# KiCad board Inkplate10_Soldered.kicad_pcb (continued)
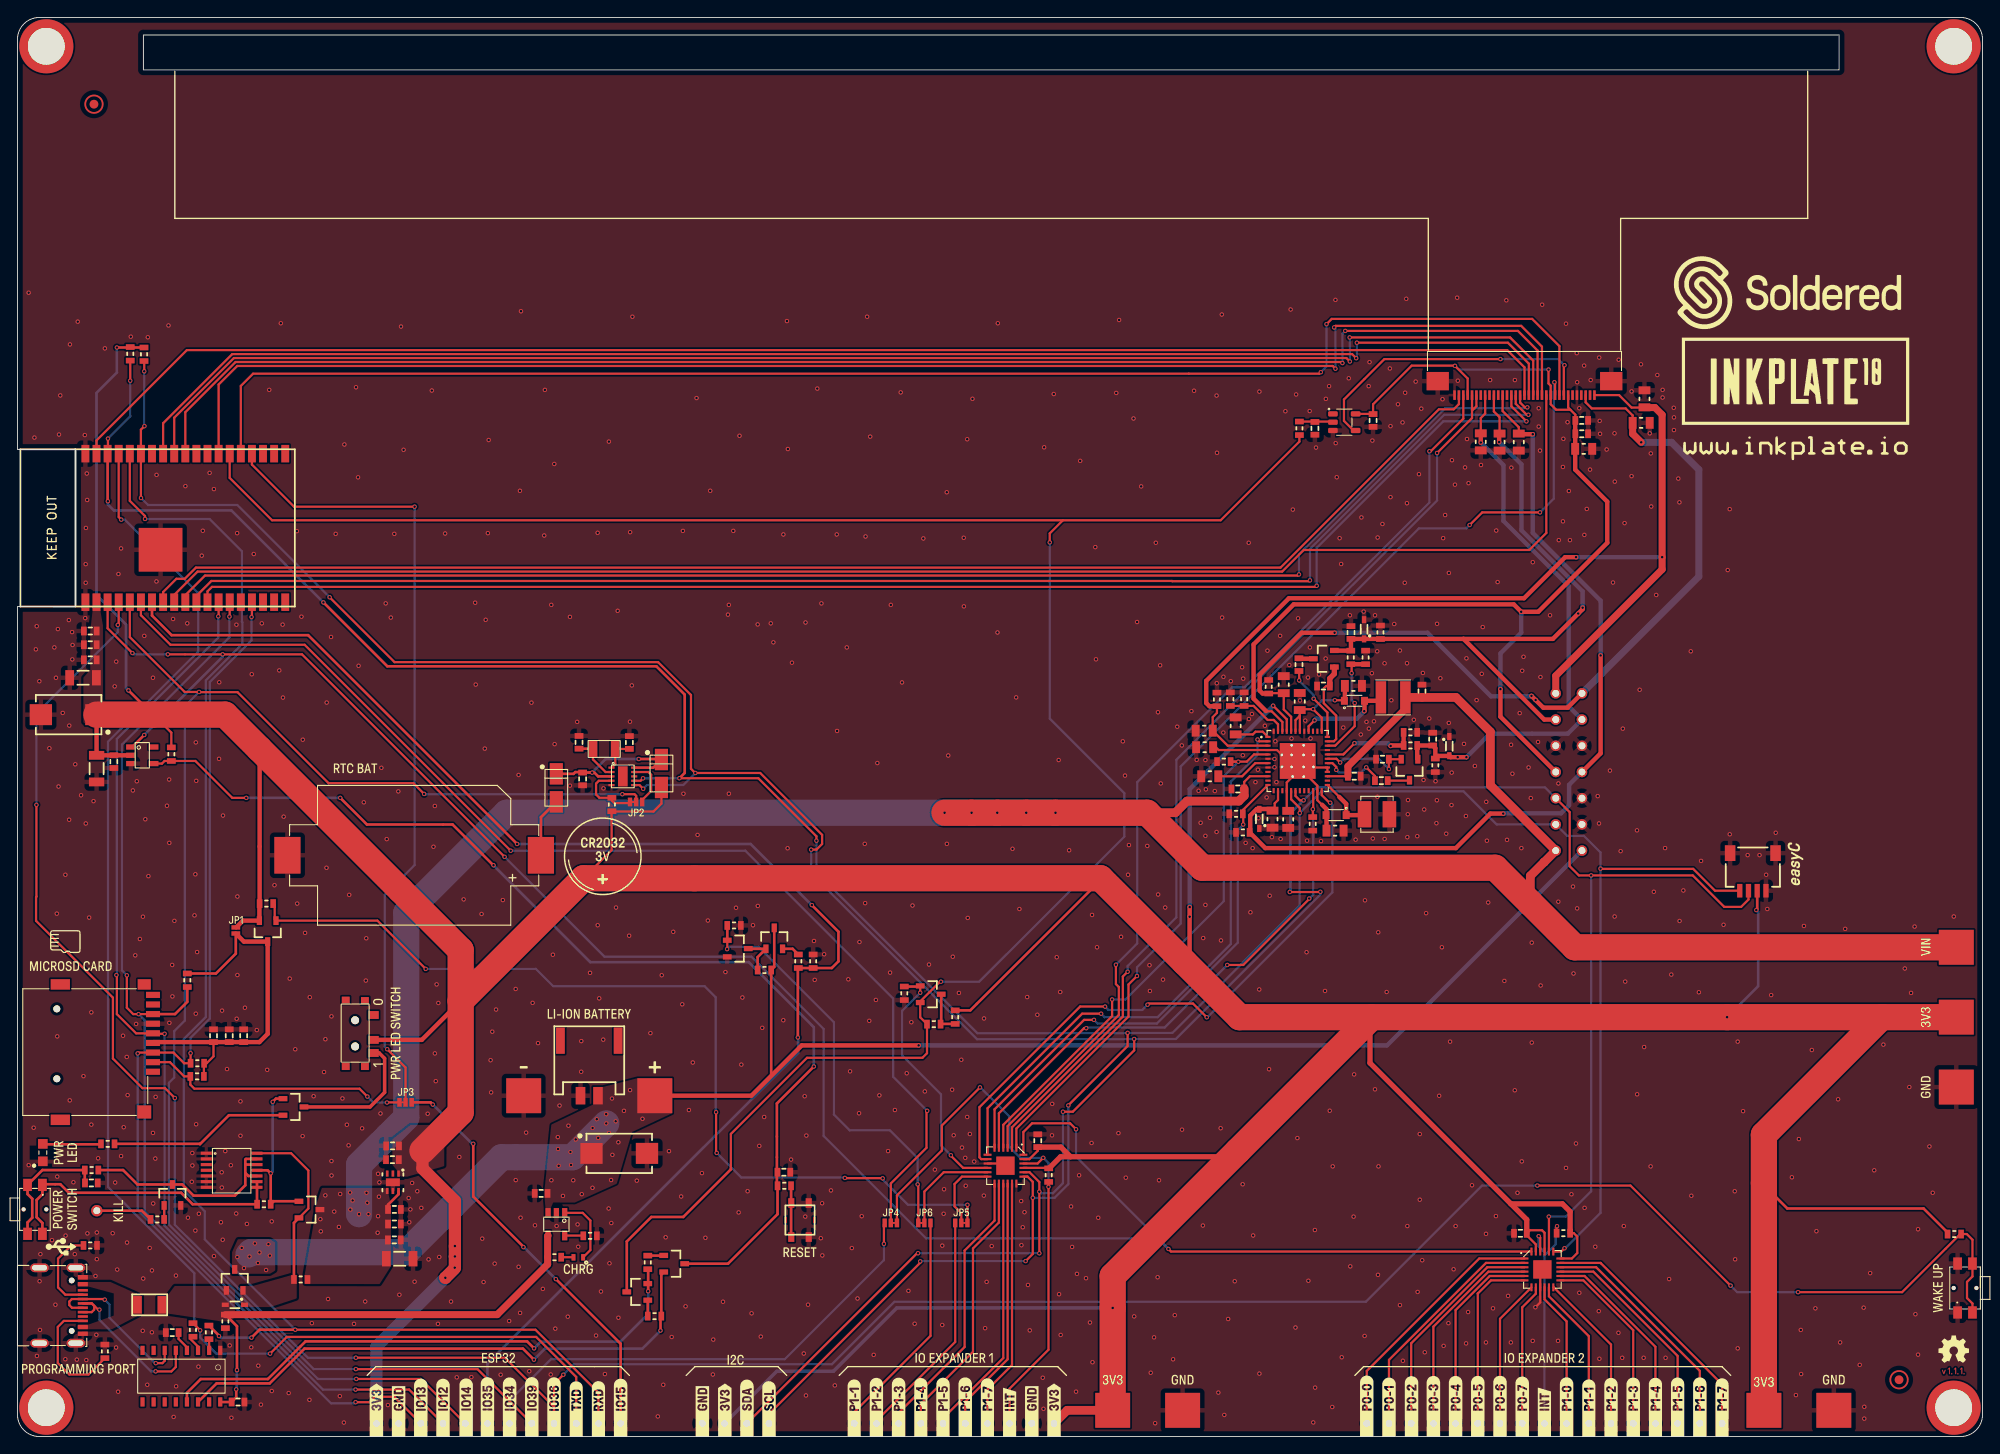
[diagram p0: board, top side]
## Footprints (pads in the part's own frame, mm; a bottom-side part is the same pattern mirrored in y, then rotated) (continued)
INKPLATE TEST HEADER
  round 1.2 hole 0.8: 1(-1.5,9) 2(-1.5,6) 3(-1.5,3) 4(-1.5,0) 5(-1.5,-3) 6(-1.5,-6) 7(-1.5,-9) 8(1.5,-9) 9(1.5,-6) 10(1.5,-3) 11(1.5,0) 12(1.5,3) 13(1.5,6) 14(1.5,9)
JST-2pin-SMD
  rect 1x3 smd: (-3.3,3.15) (3.3,3.15)
  rect 1.1x2 smd: 1(1,-3.15) 2(-1,-3.15)
K2-1114SA-A4SW-06
  round 0.5 hole 0.45 unplated: (0,1.3) (0,-1.3)
  rect 1.4x1 smd: 1(-2.8,0.85) 1(2.8,0.85) 2(-2.8,-0.85) 2(2.8,-0.85)
LTST-S270GKT
  rect 1.1x1.1 smd: 1(-1,0) 2(1,0)
M4_DIODA
  rect 2.45x1.5 smd: 1(-1.6,0) 2(1.6,0)
NR4012
  rect 1.2x3.7 smd: 1(-1.4,0) 2(1.4,0)
PAD_4x4
  rect 4x4 smd: 1(0,0)
PAD_4x4#2
  rect 4x4 smd: 1(0.04,0)
PCAL6416AHF,128
  rect 0.9x0.24 smd: 1(-2.05,1.25) 2(-2.05,0.75) 3(-2.05,0.25) 4(-2.05,-0.25) 5(-2.05,-0.75) 6(-2.05,-1.25) 13(2.05,-1.25) 14(2.05,-0.75) 15(2.05,-0.25) 16(2.05,0.25) 17(2.05,0.75) 18(2.05,1.25)
  rect 0.24x0.9 smd: 7(-1.25,-2.05) 8(-0.75,-2.05) 9(-0.25,-2.05) 10(0.25,-2.05) 11(0.75,-2.05) 12(1.25,-2.05) 19(1.25,2.05) 20(0.75,2.05) 21(0.25,2.05) 22(-0.25,2.05) 23(-0.75,2.05) 24(-1.25,2.05)
  rect 2.1x2.1 smd: 25(0,0)
PCF85063A
  rect 1.1x2.3 smd: (0,0)
  rect 0.7x0.25 smd: 1(-1.3,1) 2(-1.3,0.5) 3(-1.3,0) 4(-1.3,-0.5) 5(-1.3,-1) 6(1.3,-1) 7(1.3,-0.5) 8(1.3,0) 9(1.3,0.5) 10(1.3,1)
SFV33R-1STE9HLF
  rect 0.3x1.1 smd: 1(-8,0.8) 2(-7.5,0.8) 3(-7,0.8) 4(-6.5,0.8) 5(-6,0.8) 6(-5.5,0.8) 7(-5,0.8) 8(-4.5,0.8) 9(-4,0.8) 10(-3.5,0.8) 11(-3,0.8) 12(-2.5,0.8) 13(-2,0.8) 14(-1.5,0.8) 15(-1,0.8) 16(-0.5,0.8) 17(0,0.8) 18(0.5,0.8) 19(1,0.8) 20(1.5,0.8) 21(2,0.8) 22(2.5,0.8) 23(3,0.8) 24(3.5,0.8) 25(4,0.8) 26(4.5,0.8) 27(5,0.8) 28(5.5,0.8) 29(6,0.8) 30(6.5,0.8) 31(7,0.8) 32(7.5,0.8) 33(8,0.8)
  rect 2.55x2.1 smd: 34(-9.925,-0.8) 34(9.925,-0.8)
SK-3296S-01-L1
  rect 0.9x1.2 smd: 1(2.1,-2.1) 2(-0.75,-2.1) 3(-2.25,-2.1)
  round 0.9 hole 0.9: MH1(-1.5,0) MH2(1.5,0)
  rect 0.8x0.9 smd: MP1(-3.8,-1.125) MP2(3.75,-1.125) MP3(3.8,1.075) MP4(-3.8,1.075)
SMD_JUMPER
  rect 0.5x1 smd: 1(-0.35,0) 2(0.35,0)
SMD_JUMPER_3_PAD_CONNECTED_LEFT_TRACE
  rect 0.5x1 smd: 1(-0.7,0) 3(0.7,0)
  custom 0.5x1 smd: 2(0,0)
SN74LVC1G34DBV
  rrect 1.1x0.6 smd: 1(-1.3,0.95) 2(-1.3,0) 3(-1.3,-0.95) 4(1.3,-0.95) 5(1.3,0.95)
SOD-323
  rect 0.8x0.5 smd: 1(-1.1,0) 2(1.1,0)
SOD-323-2
  rect 0.8x0.9 smd: 1(-1.15,0) 2(1.15,0)
SOP-16
  rect 1.05x0.48 smd: 1(-2.95,4.445) 2(-2.95,3.175) 3(-2.95,1.905) 4(-2.95,0.635) 5(-2.95,-0.635) 6(-2.95,-1.905) 7(-2.95,-3.175) 8(-2.95,-4.445) 9(2.95,-4.445) 10(2.95,-3.175) 11(2.95,-1.905) 12(2.95,-0.635) 13(2.95,0.635) 14(2.95,1.905) 15(2.95,3.175) 16(2.95,4.445)
SOT-23-3
  rect 1x0.6 smd: 1(-1.2,0.95) 2(-1.2,-0.95) 3(1.2,0)
SOT-23-5
  rect 1.1x0.6 smd: 1(-1.3,0.95) 2(-1.3,0) 3(-1.3,-0.95) 4(1.3,-0.95) 5(1.3,0.95)
Standoff_M3
  round 6.2 hole 4.22 unplated: (0,0)
TPS7A2633DRVR
  rect 0.7x0.3 smd: 1(-0.995,0.65) 2(-0.995,0) 3(-0.995,-0.65) 4(0.995,-0.65) 5(0.995,0) 6(0.995,0.65)
  rect 0.89x1.6 smd: 5(0,0)
TSSOP-14
  rect 1.26x0.36 smd: 1(-2.9,1.95) 2(-2.9,1.3) 3(-2.9,0.65) 4(-2.9,0) 5(-2.9,-0.65) 6(-2.9,-1.3) 7(-2.9,-1.95) 8(2.9,-1.95) 9(2.9,-1.3) 10(2.9,-0.65) 11(2.9,0) 12(2.9,0.65) 13(2.9,1.3) 14(2.9,1.95)
U262-161N-4BVC11
  round 0.65 hole 0.65 unplated: (-2.862,1.2) (2.913,1.2)
  rect 0.3x1.15 smd: A1(-3.337,2.475) A4(-2.537,2.475) A5(-1.237,2.475) A6(-0.237,2.475) A7(0.263,2.475) A8(1.263,2.475) A9(2.563,2.475) A12(3.338,2.475) B1(3.138,2.475) B4(2.363,2.475) B5(1.763,2.475) B6(0.763,2.475) B7(-0.737,2.475) B8(-1.737,2.475) B9(-2.337,2.475) B12(-3.112,2.475)
  oval 1x2.1 hole 0.6x1.7: SH(-4.312,1.675) SH(-4.312,-2.475) SH(4.313,1.675) SH(4.313,-2.475)
VQFN-49
  rect 0.6x0.24 smd: 1(-3.4,2.75) 2(-3.4,2.25) 3(-3.4,1.75) 4(-3.4,1.25) 5(-3.4,0.75) 6(-3.4,0.25) 7(-3.4,-0.25) 8(-3.4,-0.75) 9(-3.4,-1.25) 10(-3.4,-1.75) 11(-3.4,-2.25) 12(-3.4,-2.75) 25(3.4,-2.75) 26(3.4,-2.25) 27(3.4,-1.75) 28(3.4,-1.25) 29(3.4,-0.75) 30(3.4,-0.25) 31(3.4,0.25) 32(3.4,0.75) 33(3.4,1.25) 34(3.4,1.75) 35(3.4,2.25) 36(3.4,2.75)
  rect 0.24x0.6 smd: 13(-2.75,-3.4) 14(-2.25,-3.4) 15(-1.75,-3.4) 16(-1.25,-3.4) 17(-0.75,-3.4) 18(-0.25,-3.4) 19(0.25,-3.4) 20(0.75,-3.4) 21(1.25,-3.4) 22(1.75,-3.4) 23(2.25,-3.4) 24(2.75,-3.4) 37(2.75,3.4) 38(2.25,3.4) 39(1.75,3.4) 40(1.25,3.4) 41(0.75,3.4) 42(0.25,3.4) 43(-0.25,3.4) 44(-0.75,3.4) 45(-1.25,3.4) 46(-1.75,3.4) 47(-2.25,3.4) 48(-2.75,3.4)
  round 0.5 hole 0.3: 49(-1.8,0.685) 49(-1.8,-0.685) 49(-0.685,1.8) 49(-0.685,0.685) 49(-0.685,-0.685) 49(-0.57,-1.78) 49(0.685,1.8) 49(0.685,0.685) 49(0.685,-0.685) 49(0.685,-1.8) 49(1.8,0.685) 49(1.8,-0.685)
  rect 4.1x4.1 smd: 49(0,0)
YTSA007A0151803B
  rect 0.7x0.25 smd: (0,1.625) (0,-1.625)
  rect 1.1x0.7 smd: 1(-1.95,1) 1(1.95,1) 2(-1.95,-1) 2(1.95,-1)

## Nets
3V3: C21.2 C23.2 C31.2 C33.2 C44.2 C45.2 C46.2 C47.2 C48.2 C49.1 C50.2 D11.1 JP1.2 K3.3 K5.1 K47.1 K50.1 PAD4.1 PAD5.1 PAD7.1 Q10.2 R1.2 R4.2 R20.2 R22.2 R40.1 R41.2 R42.2 R47.1 R48.1 S1.2 U1.45 U2.2 U6.1 U9.21 U9.23 U10.2 U11.18 U11.21 U11.23
3V3-EINK: C41.2 C42.2 C43.2 C55.2 K1.4 K12.7 K12.11 K12.30 U1.46 U8.5
3V3_MICROSD: C37.2 C38.2 C39.2 JP1.1 K11.4 Q10.3 R43.2 R44.2 R45.2
3V3_RTC: C36.2 D11.2 D12.2 U7.3 U7.10
/POWER/VDDH_D: C19.2 D7.1 U1.35
/POWER/VDDH_DRV: C17.1 U1.36
/POWER/VDDH_FB: R13.1 R14.2 U1.34
/POWER/VEE_D: C18.2 D6.2 U1.31
/POWER/VEE_DRV: C16.2 U1.30
/POWER/VEE_FB: R15.1 R16.2 U1.32
GND: C1.1 C2.1 C3.1 C4.1 C5.1 C6.1 C7.1 C8.1 C9.1 C10.1 C11.1 C12.1 C13.1 C14.1 C15.1 C18.1 C19.1 C20.1 C21.1 C22.1 C23.1 C24.2 C25.1 C26.1 C27.1 C28.1 C29.1 C30.1 C31.1 C32.1 C33.1 C34.1 C35.1 C36.1 C37.1 C38.1 C39.1 C40.1 C41.1 C42.1 C43.1 C44.1 C45.1 C46.1 C47.1 C48.1 C49.2 C50.1 C51.1 C52.1 C53.1 C54.1 C55.1 C56.1 D2.1 D4.2 D5.2 D9.2 K1.3 K1.9 K1.10 K1.12 K2.A1 K2.A12 K2.B1 K2.B12 K2.SH K3.4 K3.5 K4.2 K8.1 K10.- K11.6 K12.5 K12.33 K12.34 K48.1 K51.1 L1.1 PAD2.1 PAD6.1 PAD8.1 PAD9.1 Q4.2 Q8.2 R2.1 R3.1 R5.2 R6.2 R7.2 R8.2 R9.2 R10.1 R11.1 R12.1 R14.1 R16.1 R17.2 R18.2 R19.1 R25.1 R31.1 R32.2 R36.1 SW1.1 SW3.1 U1.6 U1.8 U1.33 U1.41 U1.48 U2.3 U3.1 U4.2 U5.1 U5.2 U5.5 U5.6 U5.7 U6.5 U7.5 U8.3 U9.9 U9.18 U9.25 U10.1 U10.15 U10.38 U10.39 U11.9 U11.25
VBAT: C24.1 C25.2 K1.8 K4.1 PAD1.1 Q5.3 Q7.3 R29.2 U4.3
VDDH: C14.2 C52.2 D2.2 D7.2 K1.2 K12.24 R10.2 R13.2
VEE: C15.2 C53.2 D5.1 D6.1 K1.13 K12.26 R12.2 R15.2
VIN: C5.2 C8.2 C10.2 C27.2 C28.2 C29.2 C30.2 K1.7 L2.1 PAD3.1 Q9.3 R34.2 U1.10 U1.27 U6.4 U6.6
/CTRL + COMS/CH_RXD: R23.1 U3.3
/CTRL + COMS/CH_TXD: R24.1 U3.2
/CTRL + COMS/DTR: Q3.2 R26.2 U3.13
/CTRL + COMS/RTS: Q2.2 R27.2 U3.14
/MCU/GPB_3: K19.1 U9.13
/MCU/GPB_4: K20.1 U9.14
/MCU/GPB_5: K23.1 U9.15
/MCU/GPB_6: K21.1 U9.16
/MCU/GPB_7: K22.1 U9.17
/MCU/INTB: JP4.1 K15.1 R47.2 U9.22
/MCU/INTB_K3_JP: JP4.2 U10.6
/MCU/IO_EX2_INT: K49.1 R48.2 U11.22
/POWER/INT_LDO: C4.2 U1.7
/POWER/TS: R2.2 R3.2 U1.47
/POWER/VB: C11.2 C12.2 D3.1 U1.37 U1.42 U1.43
/POWER/VB_SW: D3.2 L2.2 U1.40
/POWER/VN: C3.2 C7.2 C9.2 D1.2 U1.4 U1.16 U1.23 U1.28 U1.29 U1.49
/POWER/VN_SW: D1.1 L1.2 U1.25
/POWER/VREF: C1.2 U1.1
/SD_RTC_GPIO/CLKOUT_RTC: JP2.3 U7.9
/SD_RTC_GPIO/X1: C34.2 U7.1 X1.1
/SD_RTC_GPIO/X2: C35.2 U7.2 X1.2
D+: K2.A6 K2.B6 U3.5
D-: K2.A7 K2.B7 U3.6
EPD_CKV: K12.32 U10.8
EPD_CL: K12.8 U8.4
EPD_D0: K12.13 U10.26
EPD_D1: K12.14 U10.29
EPD_D2: K12.15 U10.30
EPD_D3: K12.16 U10.31
EPD_D4: K12.17 U10.37
EPD_D5: K12.18 U10.10
EPD_D6: K12.19 U10.11
EPD_D7: K12.20 U10.12
EPD_GMODE: K12.28 K12.29 U9.2
EPD_LE: K12.9 U10.24
EPD_OE: K12.10 U9.1
EPD_SPH: K12.12 U10.9
EPD_SPV: K12.31 U9.3
GPB_2: JP5.1 Q10.1 R40.2
GPIO15: JP3.3 K38.1
GPIO_0: Q1.2 Q3.3 R21.1 R46.1 U10.25
GPIO_0_MOSFET: Q1.1 R19.2 U9.10
GPIO_36: K37.1 R41.1 SW3.2 U10.4
GPIO_39: JP2.2 K36.1 U10.5
I2C_SCL: K1.6 K3.1 K6.1 R1.1 U1.17 U7.7 U9.19 U10.36 U11.19
I2C_SDA: K1.5 K3.2 K7.1 R4.1 U1.18 U7.6 U9.20 U10.33 U11.20
INT: U1.2 U9.7
MANUAL_RST: C26.2 Q2.3 R22.1 R33.2 U2.4
PWR_GOOD: U1.24 U9.8
PWRUP: R7.1 U1.22 U9.5
RST: U2.1 U9.24 U10.3 U11.24
RXD: K17.1 R24.2 U10.34
SPI_CS: JP3.2 U10.23
SPI_MISO: K11.7 K26.1 R45.1 U10.14
SPI_MOSI: K11.3 K27.1 R44.1 U10.16
SPI_SCK: K11.5 K25.1 U10.13
SW_IN: D10.2 Q7.2 Q9.2 R34.1 U5.14
SW_OUT_D: Q6.1 Q9.1 R38.2 U5.11
TXD: K16.1 R23.2 U10.35
V_BAT: K14.1 R30.1 R31.2 U10.7
V_BAT_MOS: JP6.1 Q4.1 R25.2
VCOM: C6.2 C56.2 D4.1 K1.11 K12.22 R11.2 U1.14
VCOM_CTRL: R6.1 U1.12 U9.6
VNEG: C2.2 C51.2 K1.1 K12.1 R8.1 U1.3
VPOS: C13.2 C54.2 K1.14 K12.3 R9.1 U1.44
VUSB: C20.2 D10.1 F1.1 Q7.1 R28.1 R36.2 U3.16 U4.4
WAKEUP: R5.1 U1.5 U9.4
Net-(C16-Pad1): C16.1 D6.3
Net-(C17-Pad2): C17.2 D7.3
Net-(C22-Pad2): C22.2 U3.4
Net-(C32-Pad2): C32.2 R39.1 SW2.2
Net-(C40-Pad2): C40.2 R46.2 U8.2
Net-(D8-Pad1): D8.1 R28.2
Net-(D8-Pad2): D8.2 U4.1
Net-(D9-Pad1): D9.1 R35.2
Net-(D12-Pad1): D12.1 K10.+
Net-(F1-Pad2): F1.2 K2.A4 K2.A9 K2.B4 K2.B9
Net-(JP2-Pad1): JP2.1 R42.1 U7.4
Net-(JP3-Pad1): JP3.1 K11.2 R43.1
Net-(JP4-Pad3): JP4.3 K13.1
Net-(JP5-Pad2): JP5.2 U9.12
Net-(JP5-Pad3): JP5.3 K18.1
Net-(JP6-Pad2): JP6.2 U9.11
Net-(JP6-Pad3): JP6.3 K24.1
Net-(K2-PadA5): K2.A5 R18.1
Net-(K2-PadB5): K2.B5 R17.1
Net-(K9-Pad1): K9.1 R37.2
Net-(K28-Pad1): K28.1 U11.1
Net-(K29-Pad1): K29.1 U11.2
Net-(K30-Pad1): K30.1 U11.3
Net-(K31-Pad1): K31.1 U11.4
Net-(K32-Pad1): K32.1 U11.5
Net-(K33-Pad1): K33.1 U11.6
Net-(K34-Pad1): K34.1 U11.7
Net-(K35-Pad1): K35.1 U11.8
Net-(K39-Pad1): K39.1 U11.10
Net-(K40-Pad1): K40.1 U11.11
Net-(K41-Pad1): K41.1 U11.12
Net-(K42-Pad1): K42.1 U11.13
Net-(K43-Pad1): K43.1 U11.14
Net-(K44-Pad1): K44.1 U11.15
Net-(K45-Pad1): K45.1 U11.16
Net-(K46-Pad1): K46.1 U11.17
Net-(Q1-Pad3): Q1.3 R20.1 R21.2
Net-(Q2-Pad1): Q2.1 R26.1
Net-(Q3-Pad1): Q3.1 R27.1
Net-(Q4-Pad3): Q4.3 Q5.1 R29.1
Net-(Q5-Pad2): Q5.2 R30.2
Net-(Q6-Pad2): Q6.2 R35.1
Net-(Q6-Pad3): Q6.3 S1.3
Net-(Q8-Pad1): Q8.1 R37.1
Net-(Q8-Pad3): Q8.3 R39.2 U5.10 U5.12 U5.13
Net-(R32-Pad1): R32.1 U4.5
Net-(R33-Pad1): R33.1 SW1.2
Net-(R38-Pad1): R38.1 SW2.1 U5.8 U5.9

Pads without a net: FD1 1; FD2 1; K2 A8 B8; K11 1 8 12 CD MNT; K12 2 4 6 21 23 25 27; S1 1 MH1 MH2 MP1 MP2 MP3 MP4; U1 9 11 13 15 19 20 21 26 38 39; U2 5; U3 7 8 9 10 11 12 15; U5 3 4; U6 2 3; U7 8; U8 1; U10 17 18 19 20 21 22 27 28 32

## Via types
v1: diameter 0.5, hole 0.3, Top to Bottom, 1153 vias

## Routing (per net, layer and track width the routed paths; a pad name or vN(x,y) marks a point on that pad's centre or on a via; arc(x,y) is an arc through that point)
3V3: length 767
  Top w0.254: U9.23 115.76,31.75 116.72,32.71 C44.2 ; 172.66,23.03 173.7,21.99 U11.23 ; C50.2 173.01,23.61 174.41,23.61 174.7,23.32 U11.21 ; 15.55,82.62 17.6,80.57 R22.2 ; U9.21 117.91,30.75 R47.1 ; D11.1 73.67,72.45 72.76,71.54 68.03,71.54 R42.2 67.97,71.53 67.97,67.12 64.75,63.9 ; 139.02,32.09 139.59,32.67 ; v1(143.65,83.65) 145.21,82.09 U1.45 ; R48.1 178.04,23.28 178.44,22.88 178.44,21 177.82,20.38 U11.18
  Top w0.3: JP1.2 25.02,58.28 ; K3.3 199.03,60.37 v1(198.92,60.26) ; 123.9,63.9 123.9,63.68 109,48.78 R20.2 ; v1(11.37,124.65) R4.2 ; R41.2 220.8,23.35 218.05,26.1 202.47,26.1 199.79,28.78 199.79,29.01 ; v1(12.7,85.4) 15.48,82.62 15.55,82.62
  Top w0.5: 133.52,54.28 134.09,54.85 134.09,59.49 v1(134.1,59.5) v1(134.1,60.6) ; 50.7,49.85 46.25,45.4 S1.2 ; R40.1 27.7,78.68 27.65,78.73 ; 25.02,58.28 25.79,59.05 Q10.2 27.68,60.97 ; U2.2 C21.2 9.05,82.6 C49.1
  Top w0.6: 170.85,26.63 154.72,42.75 154.72,47.93 ; 170.85,26.63 172.66,24.82 C50.2 ; 170.85,26.63 176.74,26.63 177.63,25.75 R48.1 ; 139.02,32.09 138.95,32.03 120.46,32.03 ; C44.2 119.36,33.13 120.46,32.03 ; R47.1 118,30.69 119.34,32.03 120.46,32.03
  Top w0.8: 50.02,19.25 v1(50.02,19.33) 50.04,19.35
  Top w1: PAD7.1 120.08,3 K50.1 ; 213.5,48 213.25,48 ; 154.72,47.93 154.84,47.93 154.92,48
  Top w1.4: 50.02,19.25 48.95,18.18 v1(48.95,18.17) ; 46.33,32.72 46.33,30.68 50.04,26.97 v1(50.04,21.8) v1(50.04,20.61) 50.04,19.35
  Top w3: 50.7,49.85 50.7,37.09 46.33,32.72 ; 50.7,49.85 64.75,63.9 123.9,63.9 139.8,48 v1(195.58,48) PAD5.1 ; 50.7,49.85 50.7,55.68 23.75,82.62 C49.1 ; PAD7.1 v1(125.29,14.72) 125.29,18.37 154.72,47.81 154.72,47.93 ; PAD4.1 199.79,34.54 213.25,48
  Bottom w0.3: v1(12.7,85.4) 12.43,85.68 12.43,92.94 9.04,96.32 9.04,119.45 11.37,121.78 v1(11.37,124.65) ; v1(195.58,48) 199.13,51.55 199.13,60.05 v1(198.92,60.26)
  Bottom w0.4: K5.1 86.86,7.47 93.34,7.47 100.59,14.72 v1(125.29,14.72)
  Bottom w0.5: v1(134.1,59.5) v1(134.1,60.6) 134.1,74.1 v1(143.65,83.65)
  Bottom w0.8: 50.02,19.24 v1(50.02,19.33) 50.04,19.35
  Bottom w1.4: v1(50.04,21.8) v1(50.04,20.61) 50.04,19.35 ; 50.02,19.24 v1(48.95,18.17) 48.94,18.17 41.06,10.29 K47.1
3V3-EINK: length 134.1
  Top w0.254: C43.2 178.22,116.95 177.65,117.53 ; 177.65,117.53 176.03,117.53 175.4,118.15 K12.11 175.4,120.28 175.15,120.53 v1(175.15,122.12) ; 177.65,117.53 177.4,117.78 K12.7 ; 142.83,83.01 143.48,83.01 144.71,81.78 U1.46 ; U8.5 155.06,117.05 C41.2 155.08,118.16 159.5,122.58 164.42,122.58 v1(164.45,122.55) 165.9,121.1 K12.30
  Top w0.5: K1.4 169.65,82.39 v1(169.65,85.55) ; 142.83,83.04 141.41,84.46 141.41,90.66 146,95.25 171.17,95.25 v1(172.03,94.4) 173.97,94.4 181.87,102.3 181.87,107 178.2,110.67 178.2,116.28 C43.2
  Bottom w0.254: v1(175.15,122.12) 164.88,122.12 v1(164.45,122.55)
  Bottom w0.5: v1(169.65,85.55) 169.65,89.62 172.03,92 v1(172.03,94.4)
3V3_MICROSD: length 41.5
  Top w0.254: R43.2 21.33,42.7 R44.2 21.64,42.72 22.43,43.51 C39.2
  Top w0.3: R45.2 22.7,53 24.98,55.28 24.98,57.57
  Top w0.5: K11.4 15.59,45.15 C39.2 27.68,45.15 28.62,46.09 Q10.3 25.9,56.65 24.98,57.57
3V3_RTC: length 18.7
  Top w0.3: D12.2 63.61,75.85 63.81,76.05 64.6,76.05 C36.2 65.45,76 65.46,75.99 v1(65.74,75.99) 66,75.99 66.43,75.56 U7.3 ; v1(71.07,77.55) 73.61,77.55 D11.2 72.74,76.56 U7.10
  Bottom w0.3: v1(71.07,77.55) 67.3,77.55 v1(65.74,75.99)
/POWER/VDDH_D: length 10.7
  Top w0.254: U1.35 150.6,79.57 150.86,79.84 150.86,82.51 149.44,83.93 149.44,85.63 149.71,85.9 C19.2
  Top w0.6: 150.65,88.07 150.65,87.3 150.13,86.78 C19.2
/POWER/VDDH_DRV: length 8.9
  Top w0.254: v1(146.62,86.55) 146.62,87.59 C17.1 ; v1(148.28,84.45) 149.86,82.88 U1.36
  Bottom w0.254: v1(146.62,86.55) 146.62,86.5 148.28,84.84 v1(148.28,84.45)
/POWER/VDDH_FB: length 13
  Top w0.254: U1.34 150.74,79.07 152.97,81.31 v1(152.97,83.95) ; v1(152.62,87.38) 152.62,88.3 R13.1
  Top w0.5: R13.1 R14.2
  Bottom w0.254: v1(152.62,87.38) 152.62,84.3 v1(152.97,83.95)
/POWER/VEE_D: length 10.4
  Top w0.254: v1(156.89,76.4) 156.88,76.41 C18.2 158.3,77.53 ; v1(151.31,77.15) 150.88,77.57 U1.31
  Bottom w0.254: v1(156.89,76.4) 155.71,77.58 151.74,77.58 v1(151.31,77.15)
/POWER/VEE_DRV: length 7.2
  Top w0.254: v1(154.3,76.59) 155.3,75.59 C16.2 ; v1(150.87,76.3) 150.87,76.63 150.43,77.07 U1.30
  Bottom w0.254: v1(150.87,76.3) 151.16,76.01 153.72,76.01 v1(154.3,76.59)
/POWER/VEE_FB: length 10.9
  Top w0.254: U1.32 151.69,78.07 152.95,79.34 v1(152.95,79.36)
  Top w0.5: v1(157.09,79.04) 157.15,79.1 R15.1 R16.2
  Bottom w0.5: v1(157.09,79.04) 156.77,79.36 v1(152.95,79.36)
GND: length 6.8
  Top w0.254: U9.9 112.78,31.25 U9.25 ; U11.25 174.2,18.88 U11.9 174.2,15.35 v1(173.65,14.8)
  vias: v1(1.28,130.93) v1(1.28,31.06) v1(1.85,35.35) v1(1.94,114.34) v1(2.1,90.1) v1(2.2,92.75) v1(2.23,9.22) v1(2.5,86.45) v1(2.53,17.78) v1(2.58,12.2) v1(2.62,20.88) v1(3.65,78.78) v1(3.95,22.47) v1(4.22,90.32) v1(4.34,15.09) v1(4.4,86.85) v1(4.5,59.85) v1(4.55,45.8) v1(4.55,29.75) v1(4.62,92.42) v1(4.75,114.69) v1(4.7,74.4) v1(4.9,119.16) v1(5.18,82.82) v1(5.48,64.3) v1(5.5,23) v1(5.48,8.85) v1(5.88,93.45) v1(5.93,81.38) v1(5.91,70.6) v1(6,125) v1(5.98,38.47) v1(6.25,92.07) v1(6.3,90.6) v1(6.28,88.95) v1(6.4,29.1) v1(6.55,20.88) v1(6.61,76.94) v1(6.79,8.8) v1(6.89,127.61) v1(7.28,73.4) v1(7.55,41.25) v1(7.7,114.62) v1(7.75,93.68) v1(7.83,104) v1(7.8,99.85) v1(7.8,97.72) v1(7.81,70.17) v1(7.88,8.75) v1(7.93,110.22) v1(7.98,107.2) v1(8,23.25) v1(8.2,59.4) v1(8.45,48.55) v1(8.45,35.7) v1(8.7,72.72) v1(8.93,18.38) v1(9.08,23.35) v1(9.08,20.3) v1(9.03,11.65) v1(9.23,31.85) v1(10,124.55) v1(10.89,23.27) v1(11.12,85.86) v1(11.18,29.07) v1(11.3,88.7) v1(11.28,10.19) v1(11.41,19.11) v1(11.55,98.72) v1(11.51,5.13) v1(11.85,101.65) v1(11.85,32.1) v1(12.08,45.88) v1(12.15,35.4) v1(12.5,43.45) v1(12.53,22.2) v1(12.6,39.07) v1(12.96,125.89) v1(13.2,73.95) v1(13.48,55.07) v1(13.58,47.22) v1(13.65,75) v1(14,56.95) v1(14.35,59.5) v1(14.33,12.1) v1(14.39,18.08) v1(14.51,91.64) v1(14.62,70.65) v1(14.85,5.93) v1(14.91,125.82) v1(14.98,64.14) v1(15.12,21.58) v1(15.38,11.93) v1(15.38,19.01) v1(15.5,86.85) v1(15.5,34.75) v1(15.53,26.68) v1(15.77,31.82) v1(15.8,38.88) v1(15.91,110.07) v1(15.9,97.88) v1(17.1,72.2) v1(17.28,127.17) v1(17.35,75.2) v1(17.37,67.95) v1(17.38,47.35) v1(17.7,53.97) v1(17.73,50.38) v1(17.8,93.57) v1(17.86,2.25) v1(17.95,59.03) v1(18.12,18.43) v1(18.15,5.75) v1(19.21,108.78) v1(19.43,93.07) v1(19.5,25.05) v1(19.94,29.16) v1(20,32.45) v1(20.01,31.02) v1(20.25,59.65) v1(20.35,64.35) v1(20.35,23.57) v1(20.4,79.45) v1(20.45,75.05) v1(20.4,48.4) v1(20.44,35.74) v1(20.55,55.45) v1(20.75,25.5) v1(20.7,8) v1(21.08,100.83) v1(21.2,103.67) v1(21.98,110.3) v1(22.47,108.44) v1(22.48,20.65) v1(23.06,77.57) v1(23.08,86.33) v1(23.36,30.24) v1(23.38,28.5) v1(23.28,24.53) v1(23.4,48.75) v1(23.51,71.08) v1(23.48,22.53) v1(23.77,32.67) v1(23.97,42.06) v1(24.28,10.43) v1(24.41,31.05) v1(24.48,2.15) v1(25.05,92.93) v1(25.08,47.82) v1(25.03,25.53) v1(25.13,103.4) v1(25.16,61.81) v1(25.16,52.82) v1(25.51,38.36) v1(25.51,34.43) v1(26.02,49.08) v1(26.24,24.33) v1(26.75,10.21) v1(26.8,87.25) v1(27.03,101.01) v1(27.38,46.53) v1(27.55,8.11) v1(27.85,3.65) v1(27.95,93.07) v1(28.57,41.97) v1(28.8,119.8) v1(29.08,24.62) v1(29.09,5.21) v1(29.4,63.1) v1(29.95,87.69) v1(30.12,127.42) v1(30.33,92.93) v1(30.37,84.58) v1(30.45,70.95) v1(31.03,4.97) v1(31.14,52.42) v1(31.78,44.32) v1(31.96,103.63) v1(32,61) v1(32.49,93.84) v1(32.64,79.76) v1(32.62,34.38) v1(32.9,57.65) v1(33.44,50.28) v1(33.4,4.2) v1(33.68,12.97) v1(33.88,38.95) v1(35.07,41.72) v1(35.22,45.47) v1(35.37,84.01) v1(35.35,65.1) v1(35.53,15.74) v1(35.87,91.52) v1(35.92,48.09) v1(35.92,31.53) v1(35.93,29.88) v1(36.4,103.32) v1(36.88,4.62) v1(37.18,38.7) v1(37.34,1.6) v1(37.4,113.55) v1(37.68,35.69) v1(37.88,33.32) v1(37.95,62) v1(38.5,12.9) v1(38.72,120.1) v1(38.96,109.79) v1(39.02,88.22) v1(39.43,35.28) v1(39.62,72.59) v1(39.85,52.19) v1(39.78,15.45) v1(39.9,57.03) v1(41.25,30.07) v1(41.4,29.09) v1(41.53,36.97) v1(41.63,76.54) v1(42.12,95.36) v1(42.24,68.38) v1(42.38,3.6) v1(42.71,93.74) v1(43.11,103.32) v1(43.57,73.84) v1(43.69,16.23) v1(43.88,127.05) v1(44.17,112.94) v1(44.75,27.3) v1(44.83,24.53) v1(44.95,26) v1(45.15,29.03) v1(45.43,17.72) v1(45.74,28.07) v1(46.2,26.18) v1(46.93,36.95) v1(47.03,20.28) v1(47.4,119.72) v1(47.59,67.51) v1(47.74,72.17) v1(47.75,43.85) v1(47.85,40.68) v1(47.95,51.75) v1(48.15,49.62) v1(48.1,12.9) v1(48.25,20.55) v1(48.92,103.36) v1(49.6,15.45) v1(50.25,6.78) v1(50.55,32) v1(51.04,61.48) v1(51.93,6.8) v1(52.36,95.44) v1(52.42,86.07) v1(53.09,59.81) v1(53.17,22.65) v1(53.32,17.68) v1(53.46,78.74) v1(53.56,93.48) v1(53.81,103.4) v1(53.91,114.06) v1(54.12,43.07) v1(54.19,39.39) v1(54.32,46.34) v1(54.59,19.79) v1(54.75,48.88) v1(55.28,7.07) v1(55.52,61.4) v1(56.25,13.22) v1(56.99,51.23) v1(57,29.35) v1(57.33,75.72) v1(57.33,19.43) v1(57.48,108.25) v1(57.55,25.05) v1(57.5,14.15) v1(57.6,128.8) v1(58.19,34.79) v1(58.55,7.47) v1(58.8,84) v1(58.93,49.64) v1(59.2,24.18) v1(59.55,45.03) v1(60.1,16.9) v1(60.26,103.13) v1(60.33,119.8) v1(61.07,95.19) v1(61,7.1) v1(61.25,55.15) v1(61.41,111.32) v1(61.45,79.25) v1(61.53,12.35) v1(61.68,24.1) v1(62.01,37.88) v1(62.95,13.72) v1(63.2,93.82) v1(63.2,74.5) v1(64.03,81.8) v1(64.08,24.28) v1(64.15,21.72) v1(64.5,45.26) v1(64.49,41.75) v1(65.5,53.07) v1(66.19,11.56) v1(66.37,103.44) v1(66.38,58.53) v1(66.55,50.15) v1(66.75,16.6) v1(67.04,74.19) v1(67.01,45.43) v1(67.2,7.15) v1(67.66,113.88) v1(67.63,26.1) v1(67.72,19.82) v1(67.93,24.43) v1(68.47,60.55) v1(68.66,94.51) v1(68.75,13.6) v1(69.97,57.32) v1(70.07,81.82) v1(70.09,103.51) v1(70.35,128.18) v1(70.28,85.97) v1(70.85,29.29) v1(72.41,46.17) v1(73.25,2.3) v1(73.7,52.8) v1(73.88,5.92) v1(74.15,22.8) v1(74.53,32.66) v1(74.84,11.39) v1(75.02,57.77) v1(75.93,27.47) v1(76.05,49.47) v1(76.12,103.66) v1(76.19,73.58) v1(76.43,14.9) v1(76.81,37.37) v1(77.25,42.81) v1(77.68,118.86) v1(77.8,68.86) v1(78.3,30.15) v1(78.7,22.75) v1(78.98,59.06) v1(79.25,108.25) v1(79.55,7.1) v1(79.6,11.1) v1(80.71,15.43) v1(80.99,53.16) v1(81.28,94.07) v1(81.38,95.19) v1(81.38,73.58) v1(81.89,103.66) v1(82.2,60.53) v1(82.5,25.65) v1(82.6,114.55) v1(82.81,42.57) v1(82.93,50.25) v1(83.53,28.07) v1(83.98,14.1) v1(84.14,58.52) v1(84.68,92.95) v1(84.69,60.73) v1(84.86,33.27) v1(85.03,11.44) v1(85.2,46.78) v1(85.43,36.57) v1(86.18,93.07) v1(86.47,90.9) v1(87.62,103.25) v1(87.61,47.65) v1(88.03,127.67) v1(88.13,113.03) v1(88.1,67.33) v1(88.5,31.7) v1(88.6,88.57) v1(89.95,9.5) v1(90.05,38.95) v1(90.15,93.18) v1(90.12,25.18) v1(90.25,34.45) v1(90.2,4.7) v1(90.44,15.09) v1(91.12,56.72) v1(91.2,52.27) v1(91.5,119.95) v1(91.97,95.36) v1(91.9,22.7) v1(92.05,26.7) v1(92.08,20.72) v1(92.28,55.2) v1(93.06,28.17) v1(93.5,5.85) v1(93.72,103.25) v1(93.76,80.76) v1(94.87,90.32) v1(95.05,52.33) v1(95.25,41.8) v1(95.45,21.57) v1(96.1,15.8) v1(96.33,56.6) v1(96.28,37) v1(96.58,25.22) v1(96.93,67.84) v1(96.97,61.05) v1(97.02,103.02) v1(97.2,128.18) v1(97.44,47.58) v1(97.55,114.45) v1(97.95,9.35) v1(98.2,49.97) v1(98.37,77.09) v1(98.6,39.05) v1(99.6,32.67) v1(99.83,53.1) v1(99.91,95.19) v1(100.38,37.38) v1(101.04,119.51) v1(101.19,86.31) v1(101.72,41.57) v1(101.93,16.68) v1(102.26,47.42) v1(102.39,60.78) v1(102.64,12.91) v1(103.63,102.79) v1(103.8,39.5) v1(104.28,54.03) v1(104.95,30.55) v1(105.8,21.85) v1(105.8,12.76) v1(105.95,25.5) v1(106,28.3) v1(106.31,108.08) v1(106.32,67.84) v1(106.48,77.95) v1(106.93,39.7) v1(107,54.92) v1(107.1,34.47) v1(107.7,50.78) v1(107.97,43.12) v1(108.05,33.07) v1(108.25,102.87) v1(108.27,95.02) v1(108.43,31.9) v1(108.47,28.7) v1(108.65,114.15) v1(108.65,36.57) v1(108.71,59.36) v1(108.95,34.62) v1(109.25,118.78) v1(109.45,31.47) v1(110.55,27.57) v1(110.58,47.85) v1(110.7,12.4) v1(110.87,17.7) v1(111.45,21.8) v1(112.15,127.42) v1(112.11,92.03) v1(113.83,67.27) v1(114.25,84.6) v1(114.62,60.38) v1(114.83,26.95) v1(114.85,21.9) v1(115,23.95) v1(115.2,25.68) v1(115.51,50.3) v1(115.6,17.35) v1(115.8,12.15) v1(116.68,48.28) v1(117.29,6.73) v1(117.38,3.18) v1(117.45,113.22) v1(118.38,38.07) v1(118.35,34.47) v1(118.55,119.33) v1(118.89,54.86) v1(119.11,77.43) v1(119.16,16.29) v1(119.29,50.88) v1(119.34,11.63) v1(120.31,67.1) v1(120.53,26.33) v1(120.65,21.7) v1(121.1,5.14) v1(121.2,18.62) v1(121.45,29.9) v1(121.58,111.67) v1(122.24,18.12) v1(122.69,13.05) v1(122.88,33.6) v1(122.93,59.7) v1(122.98,8.5) v1(123.3,101.8) v1(123.38,88.96) v1(123.5,56) v1(123.64,25.04) v1(125.7,119.45) v1(125.95,34.72) v1(126.03,127.8) v1(126.25,57.2) v1(126.45,79.57) v1(126.7,75.65) v1(126.79,29.63) v1(127.05,64.3) v1(127.15,67.7) v1(127.68,116.53) v1(127.75,13.75) v1(128.08,93.23) v1(128.55,108.75) v1(129.25,67.6) v1(129.5,53.95) v1(129.55,51) v1(129.64,7.3) v1(130.03,11.35) v1(130.15,1.53) v1(130.22,102.3) v1(130.47,82.9) v1(130.43,18.23) v1(130.49,62.04) v1(130.59,29.33) v1(130.72,88.27) v1(130.79,74.75) v1(131.05,52.3) v1(131.3,60.55) v1(132.2,8.84) v1(132.39,13.89) v1(132.68,81.25) v1(133.2,79.1) v1(133.22,35.12) v1(134.3,83.03) v1(134.6,119.7) v1(134.9,77.45) v1(135.12,73.91) v1(135.35,70.25) v1(135.65,57.05) v1(135.61,24.15) v1(135.9,77.43) v1(135.95,74.07) v1(135.9,68.75) v1(135.9,60.85) v1(136.43,70.82) v1(136.97,73.88) v1(137.18,119.15) v1(137.22,112.6) v1(137.2,86.22) v1(137.18,69.2) v1(137.38,5.03) v1(137.64,35.29) v1(137.78,128.43) v1(137.68,56.78) v1(137.81,93.74) v1(137.96,86.96) v1(137.95,80.57) v1(138.06,2.47) v1(138.5,13.45) v1(138.8,86.45) v1(139.25,17.77) v1(140.1,88.05) v1(140.16,28.87) v1(140.22,86.75) v1(140.18,77.97) v1(140.5,67.95) v1(140.85,102.3) v1(140.88,82.12) v1(141.05,60) v1(141.22,82.7) v1(141.3,67.35) v1(141.36,23.01) v1(141.62,74.9) v1(141.9,76.32) v1(141.97,70.78) v1(142.06,51.17) v1(142.08,119.6) v1(142.08,7.2) v1(142.7,81.35) v1(142.9,73.15) v1(143,89.95) v1(143.25,61.9) v1(143.18,42.04) v1(143.5,68.6) v1(143.8,77.55) v1(143.8,76.6) v1(143.9,79.57) v1(144.03,74.9) v1(144.45,91.65) v1(144.5,68.4) v1(145.05,117.35) v1(145.5,88.3) v1(145.65,129) v1(145.75,79.9) v1(145.9,106.1) v1(146.2,12.47) v1(146.28,119.28) v1(146.42,34.16) v1(146.5,93.65) v1(146.72,84.25) v1(147.33,81.95) v1(147.47,55.43) v1(147.53,68.2) v1(147.62,86.88) v1(147.68,17.83) v1(147.83,117.38) v1(147.85,90.32) v1(147.93,79.9) v1(148.24,1.61) v1(148.42,23.64) v1(148.45,5.6) v1(148.55,113.2) v1(148.9,87.22) v1(149.12,68.15) v1(149.65,89.05) v1(149.58,51) v1(149.68,118.78) v1(150.05,120.22) v1(150.12,37.29) v1(150.46,30.92) v1(150.41,3.38) v1(150.78,130.1) v1(150.8,113.7) v1(150.93,109.8) v1(151.25,102.83) v1(151.43,99.87) v1(151.49,9.07) v1(151.68,81.15) v1(152.3,121.12) v1(152.43,94) v1(152.47,19.47) v1(152.85,25.17) v1(152.91,41.45) v1(153.08,68.32) v1(153.75,105.2) v1(153.68,80.35) v1(154,94.43) v1(154.15,61.38) v1(154.11,11.51) v1(154.33,81.8) v1(154.58,120.22) v1(154.6,81.03) v1(154.68,122.97) v1(154.94,87.37) v1(155,114) v1(155.05,68.45) v1(155.18,81.86) v1(155.3,94) v1(155.3,39.74) v1(155.55,89.88) v1(155.6,102.9) v1(155.58,73.22) v1(155.67,57.71) v1(155.64,18.51) v1(155.7,30.92) v1(156.15,104.45) v1(156.39,88.5) v1(156.4,68.4) v1(156.63,50.88) v1(157,122.25) v1(157.08,115.65) v1(157.08,107.53) v1(157.17,84.27) v1(157.5,93) v1(157.92,118.15) v1(158.15,89.97) v1(158.15,15.04) v1(158.45,116.08) v1(158.49,8.67) v1(158.75,119.47) v1(158.7,97.72) v1(158.88,130.22) v1(158.95,106.83) v1(158.96,88.51) v1(159.05,71.22) v1(159,68.6) v1(159,24.09) v1(159.08,72.85) v1(159.74,82.04) v1(159.95,120.75) v1(160.14,68.72) v1(160.17,16.55) v1(160.33,110.15) v1(160.42,34.62) v1(160.42,27.11) v1(160.6,117.65) v1(160.78,87.4) v1(160.7,20.18) v1(160.85,75.15) v1(160.93,71.77) v1(160.99,9.64) v1(161.15,59.9) v1(161.51,82.19) v1(162.22,75) v1(162.33,70.2) v1(162.4,93.03) v1(162.38,72.82) v1(162.64,39) v1(162.78,86.79) v1(162.95,56) v1(163.03,118.72) v1(163.1,102.83) v1(163.15,10.38) v1(163.33,105.47) v1(163.45,69) v1(163.75,98.85) v1(163.74,81.68) v1(163.7,12.97) v1(163.89,45.2) v1(164.07,75.99) v1(164.05,72.28) v1(164.1,111.75) v1(164.29,19.14) v1(164.45,108.95) v1(164.52,24.09) v1(164.7,130.35) v1(164.78,120.85) v1(165.48,79.28) v1(165.6,110.92) v1(165.76,89.07) v1(165.7,71.03) v1(165.72,10.66) v1(165.83,114.17) v1(165.95,14.25) v1(166,109.12) v1(166.4,28.76) v1(166.72,76.75) v1(166.92,84.29) v1(167.42,111.2) v1(167.51,87.3) v1(167.63,92.65) v1(168.03,72.65) v1(168,23.2) v1(167.99,10.77) v1(168.1,68.2) v1(168.25,61.12) v1(168.47,120.92) v1(168.8,14.68) v1(169.17,103.7) v1(169.13,25.23) v1(169.33,97.8) v1(170.1,52.15) v1(170.33,130.05) v1(170.4,68.3) v1(170.53,16.1) v1(170.87,79.18) v1(170.84,10.77) v1(170.9,110.9) v1(171.02,75.87) v1(171.3,120.92) v1(171.29,39.63) v1(171.6,27.9) v1(171.85,82.8) v1(172.05,67.35) v1(172.14,87.65) v1(172.09,31.49) v1(172.29,89.25) v1(172.87,76.58) v1(173.12,73.08) v1(173.23,56.53) v1(173.23,45.09) v1(173.35,100.08) v1(173.34,10.95) v1(173.95,79.5) v1(174.03,117.7) v1(174.03,115.6) v1(174.17,112.85) v1(174.23,86.93) v1(174.25,51.62) v1(174.42,129.55) v1(175.33,94) v1(176.27,61.22) v1(176.24,10.95) v1(176.33,102.6) v1(176.28,74.75) v1(176.85,114.2) v1(176.8,110.97) v1(176.8,104.75) v1(177.15,127.38) v1(177.15,30.75) v1(177.33,116.1) v1(177.47,108.22) v1(177.6,102.6) v1(177.78,27.72) v1(177.95,62.95) v1(178.01,53) v1(178.29,33.54) v1(178.38,124) v1(178.42,120.67) v1(178.42,60.45) v1(178.67,117.7) v1(178.67,16.45) v1(179.22,122.58) v1(179.25,103.2) v1(179.28,26.18) v1(179.53,106.17) v1(179.97,120.92) v1(179.9,110.67) v1(180.5,21.72) v1(180.78,73.3) v1(180.95,123.5) v1(180.92,70.18) v1(180.9,14.35) v1(180.97,8.9) v1(181,116.25) v1(181.05,114.78) v1(181.8,112.97) v1(182.17,76.22) v1(182.53,97.75) v1(182.7,114.83) v1(182.72,109.3) v1(182.71,59.52) v1(183.17,123.25) v1(183.15,11.88) v1(183.4,67) v1(183.65,81.03) v1(183.58,9.01) v1(183.76,24.09) v1(183.85,104.55) v1(183.92,52.07) v1(184.65,119.62) v1(184.65,109.92) v1(185.27,69.38) v1(185.29,39.17) v1(185.58,85.47) v1(185.72,122.72) v1(186.03,9.01) v1(186.09,44.58) v1(186.72,114.83) v1(186.85,112.53) v1(186.83,30.92) v1(186.9,106.45) v1(187.2,62.35) v1(187.47,96.33) v1(187.6,121.5) v1(188.2,119.8) v1(188.2,118.92) v1(188.49,67.35) v1(188.54,9.01) v1(188.95,18.03) v1(189.2,52.88) v1(189.47,117.75) v1(189.5,116.65) v1(189.5,115.2) v1(190,109.65) v1(190.13,106.92) v1(190.14,59.01) v1(190.58,62.5) v1(191.42,89.88) v1(191.49,27.56) v1(192.35,50.85) v1(192.6,65.89) v1(195.17,58.57) v1(195.65,99.17) v1(195.88,106.15) v1(195.88,68.93) v1(196.45,28.07) v1(196.5,20.28) v1(196.79,45.2) v1(196.79,10.09) v1(197.41,37.24) v1(197.93,66.55) v1(199.29,66.55) v1(200.05,64.3) v1(200.18,60.38) v1(200.63,50.53) v1(201.14,69.11) v1(202.99,29.67) v1(203.45,4.74) v1(203.79,34.05) v1(204.01,12.2) v1(204.05,7.15) v1(204.37,58.44) v1(205.27,44.24) v1(205.68,14.67) v1(205.8,23.5) v1(208.28,38.6) v1(208.51,10.77) v1(209.09,58.11) v1(210.75,8.2) v1(211.2,14.75) v1(211.28,3.4) v1(211.28,2.05) v1(211.95,18.7) v1(212.42,30.47) v1(213.46,44.86) v1(215.91,53.57) v1(216.42,40) v1(216.63,50.78) v1(217.03,58.37) v1(217.13,14) v1(217.42,23.72) v1(217.42,9.38) v1(218.72,33.2) v1(219.1,27.9) v1(221.51,59.52)
VBAT: length 182
  Top w0.3: Q5.3 86.58,53.75 R29.2 86.22,41.25 86.22,41.24
  Top w0.5: v1(103.09,44.77) 89.72,44.77 83.96,39.01 PAD1.1
  Bottom w0.5: v1(103.09,44.77) 156.68,44.77 K1.8
  Bottom w3: v1(67.36,35.84) 63.49,31.97 55.38,31.97 44.51,21.1 26.69,21.1 26.43,20.84
  vias: v1(25.15,20.54) v1(25.65,21.59) v1(25.91,19.28) v1(26.54,20.6) v1(27.16,22.1) v1(27.5,19.87) v1(27.68,21.07) v1(28.44,19.06) v1(28.71,22.02) v1(28.87,20.71) v1(61.08,29.33) v1(61.81,34.27) v1(61.84,32.91) v1(61.91,30.99) v1(62.4,27.54) v1(63.03,35.58) v1(63.26,32.57) v1(63.33,31.09) v1(63.58,29.33) v1(63.86,34) v1(64.55,27.74) v1(65.79,35.32) v1(65.78,28.47) v1(66.27,36.32) v1(66.44,34.18) v1(67.35,36.9) v1(67.67,34.75) v1(67.91,29.36) v1(68.01,38.69) v1(68.06,32.24) v1(68.43,36.08) v1(68.74,33.68) v1(69.38,37.28) v1(70.08,39.65) v1(71.5,36.37)
VDDH: length 75.2
  Top w0.254: K12.24 168.9,117.33 169.55,116.67 C52.2
  Top w0.5: 165.42,91.29 174.66,82.06 K1.2 ; 165.42,91.29 175.65,91.29 v1(178.55,94.2) 179.05,94.7 v1(179.05,94.88) ; 165.42,91.29 152.55,91.29 152.55,89.97 R13.2 150.68,89.95 D7.2 ; v1(169.5,113.83) 169.5,114.75 C52.2
  Bottom w0.5: v1(178.55,94.2) 179.05,94.7 v1(179.05,94.88) 179.05,96.74 172.05,103.74 172.05,111.28 v1(169.5,113.83)
VEE: length 66.9
  Top w0.254: 167.4,114.83 167.4,116.58 167.9,117.08 K12.26
  Top w0.5: 160.2,77.53 160.13,77.6 R15.2 160.13,79.09 C15.2 162.2,78.79 R12.2 162.5,77.9 163.78,77.9 D5.1 163.97,77.76 v1(164.76,77.76) v1(165.76,77.76) ; v1(167.4,113.77) 167.4,114.83
  Bottom w0.5: v1(164.76,77.76) v1(165.76,77.76) 168.45,80.45 177.36,80.45 K1.13 177.45,83.59 177.45,97.35 169.99,104.81 169.99,111.18 v1(167.4,113.77)
VIN: length 306.3
  Top w0.254: C5.2 140.34,74.93 140.99,75.57 U1.10 ; U1.27 149.86,75.58 C8.2
  Top w0.3: U6.6 43.6,27.74 42.39,26.53 C30.2
  Top w0.8: C8.2 152.2,76.71 158.78,83.28 L2.1
  Top w1: L2.1 158.78,84.59 C10.2 164.57,84.59 168.5,80.66 168.5,74.54 K1.7 174.66,65.75 174.65,65.75 173.07,64.17 173.07,61.08 ; 129.23,71.4 132.46,71.4 133.79,72.73 139.72,72.73 140.34,73.35 C5.2
  Top w3: PAD3.1 178.15,56 169.05,65.1 135.53,65.1 129.23,71.4 v1(118.75,71.4) v1(115.4,71.4) v1(112.09,71.4) v1(109.15,71.4) v1(106.06,71.4)
  Bottom w3: v1(118.75,71.4) v1(115.4,71.4) v1(112.09,71.4) v1(109.15,71.4) v1(106.06,71.4) 55.95,71.4 44.47,59.93 44.47,36.5 39.08,31.1 v1(39.08,25.45)
  vias: v1(34.65,24.88) v1(34.7,23.48) v1(35.22,27.6) v1(36.24,25.75) v1(36.77,23.99) v1(36.92,27.76) v1(38.05,27.93) v1(38.08,25.98) v1(38.34,27.02) v1(39.93,27.9) v1(40.02,26.76) v1(40.15,25.46) v1(41.25,25.22) v1(41.2,23.33) v1(41.35,27.45)
/CTRL + COMS/CH_RXD: length 1.7
  Top w0.254: U3.3 20.66,10.29 19.73,11.22
/CTRL + COMS/CH_TXD: length 1.3
  Top w0.254: U3.2 21.93,11.12 R24.1
/CTRL + COMS/DTR: length 63.3
  Top w0.3: v1(59.1,10.09) 58.3,10.89 32.95,10.89 28.64,6.58 20.97,6.58 19.39,5 U3.13 ; R26.2 72.15,19.11 v1(72.15,16.63)
  Bottom w0.3: v1(59.1,10.09) 59.87,10.86 68.98,10.86 72.15,14.03 v1(72.15,16.63)
/CTRL + COMS/RTS: length 64.2
  Top w0.3: v1(73.56,12.13) 73.56,13.69 R27.2 73.66,18.56 Q2.2 ; U3.14 22.78,6.08 28.85,6.08 32.83,10.06 57.82,10.06 v1(59.08,8.8)
  Bottom w0.3: v1(59.08,8.8) 60.34,10.06 71.49,10.06 v1(73.56,12.13)
